# Altium PCB 1166V30.PcbDoc (part 3 of 6) (continued)
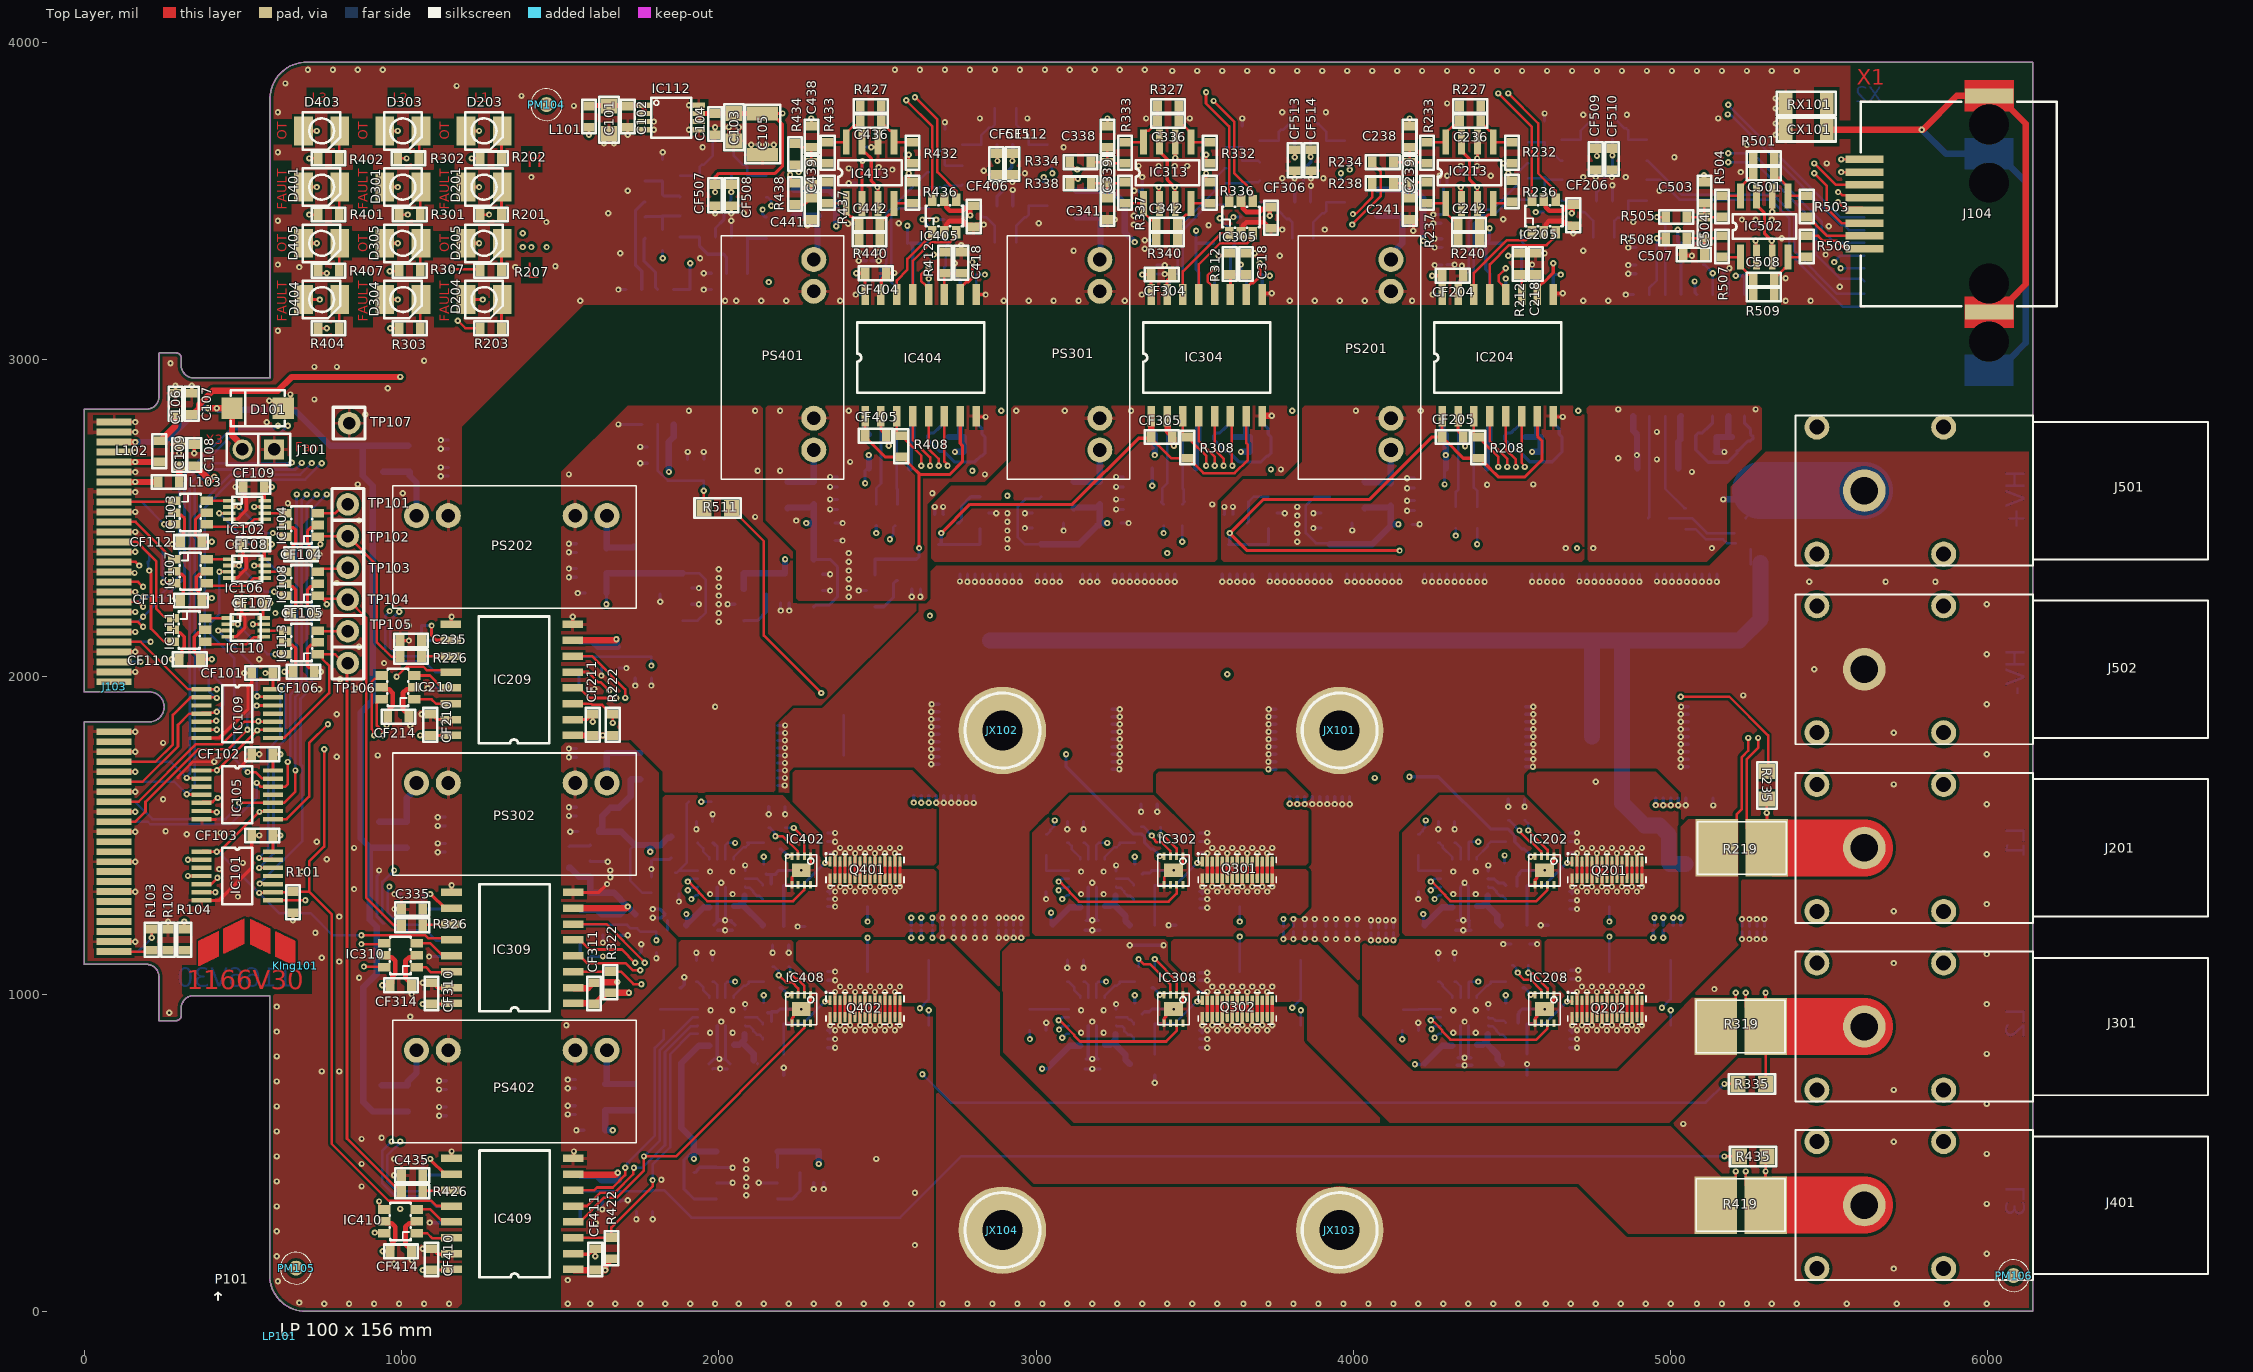
[diagram p0: Top Layer view]
## Nets (pads, with @x,y where several pads share a name; then routed paths per layer and width w, separated by ;. In a path a pad name is that pad's centre, name@x,y a point inside that pad or via, vN(x,y) a via of type N, cw(c..) or ccw(c..) an arc to the next point about the centre after c; other vN are vias at no path point) (continued)
  Bottom Layer w8: C552.1@2393.7,1751.97 2393.7,1877.95 ; R515.1@5047.24,2464.57 5079.73,2464.57 5111.23,2433.07 5165.35,2433.07 5177.17,2421.26 R517.2@5204.72,2421.26 ; R517.2@5251.97,2354.33 R517.2@5251.97,2401.57
  Bottom Layer w10: D402.2@2342.52,1443.7 v1(2366.14,1443.7) ; D402.2@2342.52,1480.31 v1(2366.14,1480.31) ; D402.2@2342.52,1507.87 v1(2366.14,1507.87) ; D302.2@3515.75,1443.7 v1(3539.37,1443.7) ; D302.2@3515.75,1480.31 v1(3539.37,1480.31) ; D302.2@3515.75,1507.87 v1(3539.37,1507.87) ; D202.2@4681.1,1443.7 v1(4704.72,1443.7) ; D202.2@4681.1,1480.31 v1(4704.72,1480.31) ; D202.2@4681.1,1507.87 v1(4704.72,1507.87)
  Bottom Layer w50: C553.1@2854.33,2114.17 C543.1@3098.43,2114.17 C544.1@3342.52,2114.17 C545.1@3586.61,2114.17 C546.1@3830.71,2114.17 C547.1@4074.8,2114.17 C548.1@4318.9,2114.17 C549.1@4562.99,2114.17 C550.1@4751.97,2114.17 ; C526.1@4751.97,1811.02 C550.1@4751.97,2114.17 ; C527.1@5047.24,1409.45 4998.38,1409.45 4993.86,1413.98 4993.86,1502.21 4964.57,1531.5 4917.32,1531.5 4846.46,1602.36 C554.1@4846.46,1811.02 4846.46,2109.65 C550.1@4841.93,2114.17 ; R517.2@5283.46,2358.27 5283.46,2181.1 5216.54,2114.17 C551.1@5051.18,2114.17 C550.1@4841.93,2114.17 ; C550.1@4751.97,2114.17 C550.1@4807.09,2114.17 C550.1@4841.93,2114.17
  other v1: 2381.89,1460.63 2413.39,1460.63 2444.88,1460.63 2476.38,1460.63 2507.87,1460.63 2539.37,1460.63 2570.87,1460.63 3555.12,1460.63 3586.61,1460.63 3618.11,1460.63 3649.61,1460.63 3681.1,1460.63 3712.6,1460.63 3744.09,1460.63 4720.47,1460.63 4751.97,1460.63 4783.46,1460.63 4814.96,1460.63 4846.46,1460.63 4877.95,1460.63 4909.45,1460.63 4763.78,1669.29 4066.93,1681.1 3602.36,2007.87 2665.35,2192.91
I1_DIAG: IC203.14 J103.29 R204.1 | length 5264.5
  Top Layer w8: J103.29@93.96,2362.03 161.59,2362.03 v1(173.23,2350.39)
  Layer 3 w8: v1(173.23,2350.39) 175.46,2352.63 191.21,2352.63 204.72,2366.14 204.72,2376.45 387.08,2558.8 613.92,2558.8 653.54,2598.43 773.6,2598.43 1456.69,3281.52 1456.69,3354.2 v1(1456.82,3354.33)
  Layer 5 w8: v1(1456.82,3354.33) 1657.61,3555.12 2173.62,3555.12 2208.8,3519.94 2740.96,3519.94 2768.52,3492.38 4452.5,3492.38 4529.22,3415.66 4529.22,3400.5 v1(4531.45,3398.27)
  Bottom Layer w8: v1(4531.45,3398.27) 4531.45,3370.12 R204.1@4539.37,3362.2
  Bottom Layer w10: IC203.14@4529.92,3204.72 4529.92,3352.76 R204.1@4539.37,3362.2
I1_OUT_N: J102.2 R528.2 | length 924.3
  Bottom Layer w8: R528.2@4924.02,3625.98 4927.95,3625.98 5034.25,3519.69 5321.84,3519.69 5390.02,3451.51 5390.02,3341.27 5524.6,3206.69 J102.2@5610.04,3206.69
I1_OUT_N#: IC203.10 R530.1 | length 528.7
  Bottom Layer w8: IC203.10@4329.92,3204.72 4329.92,3244.09 4363.92,3278.09 4363.92,3434.79 4401.57,3472.44 4438,3472.44 4521.46,3555.9 4521.46,3592.33 4547.24,3618.11 R530.1@4551.18,3618.11
I1_OUT_P: J102.1 R524.2 | length 916.4
  Bottom Layer w8: R524.2@4924.02,3566.93 4964.38,3566.93 5027.62,3503.69 5315.21,3503.69 5374.02,3444.88 5374.02,3334.65 5542.13,3166.54 J102.1@5610.04,3166.54
I1_OUT_P#: IC203.11 R526.1 | length 426.1
  Bottom Layer w8: IC203.11@4379.92,3204.72 4379.92,3428.16 4408.2,3456.44 4444.63,3456.44 4492.13,3503.94 R526.1@4551.18,3503.94
I2_DIAG: IC303.14 J103.33 R304.1 | length 4532.5
  Top Layer w8: J103.33@93.96,2299.04 169.47,2299.04 v1(185.04,2283.46)
  Layer 3 w8: v1(185.04,2283.46) 169.29,2299.21 149.61,2299.21 133.86,2314.96 133.86,2398.85 186.69,2451.68 186.91,2451.68 386.99,2651.76 553.46,2651.76 571.62,2633.61 763.53,2633.61 1409.45,3279.53 v1(1409.45,3354.33)
  Layer 5 w8: v1(1409.45,3354.33) 1432.82,3330.96 1464.34,3330.96 1637.57,3504.19 2055.12,3504.19 2074.55,3523.62 2182.49,3523.62 2202.17,3503.94 2734.34,3503.94 2761.9,3476.38 3334.65,3476.38 3366.14,3444.88 v1(3578.74,3444.88)
  Bottom Layer w8: v1(3578.74,3444.88) 3625.98,3397.64 R304.1@3625.98,3366.14 3625.98,3362.2 3612.6,3348.82 IC303.14@3612.6,3204.72
I2_OUT_N: J102.6 R543.2 | length 1837.1
  Layer 2 w8: v1(3988.19,3598.43) 4229.34,3598.43 4312.07,3681.15 4791.34,3681.15 4791.54,3681.35 5149.35,3681.35 5180.98,3649.73 v1(5181.1,3649.73)
  Bottom Layer w8: R543.2@3972.44,3625.98 3976.38,3625.98 3986.16,3616.2 3986.16,3612.27 3988.19,3610.24 v1(3988.19,3598.43) ; v1(5181.1,3649.73) 5181.23,3649.61 5259.84,3649.61 5476.63,3432.82 5476.63,3408.2 5517.51,3367.32 J102.6@5610.04,3367.32
I2_OUT_N#: IC303.10 R545.1 | length 476.9
  Bottom Layer w8: IC303.10@3412.6,3204.72 3420.41,3212.54 3420.41,3247.18 3446.6,3273.37 3446.6,3415.1 3562.99,3531.5 3562.99,3570.87 3594.49,3602.36 R545.1@3598.43,3602.36
I2_OUT_P: J102.3 R540.2 | length 1951.9
  Layer 2 w8: v1(3960.63,3586.61) 3963.79,3586.61 3973.82,3576.58 4230.13,3576.58 4318.69,3665.15 5133.65,3665.15 5133.86,3665.35 5171.32,3627.89 5172.1,3627.89 5177.94,3622.05 v1(5181.1,3622.05)
  Bottom Layer w8: v1(5181.1,3622.05) 5264.77,3622.05 5459.16,3427.66 5459.16,3328.85 5533.15,3254.86 5602.03,3254.86 J102.3@5610.04,3246.85
  Bottom Layer w10: v1(3960.63,3586.61) 3960.63,3571.77 3969.41,3562.99 R540.2@3972.44,3562.99
I2_OUT_P#: IC303.11 R542.1 | length 372.6
  Bottom Layer w8: IC303.11@3462.6,3204.72 3462.6,3408.47 3542.31,3488.19 R542.1@3598.43,3488.19
I3_DIAG: IC403.14 J103.37 R403.1 | length 3733.2
  Top Layer w8: J103.37@93.96,2236.04 169.47,2236.04 v1(185.04,2220.47)
  Layer 3 w8: v1(185.04,2220.47) 169.29,2236.22 153.54,2236.22 117.86,2271.91 117.86,2444.63 151.36,2478.13 190.73,2478.13 381.89,2669.29 558.56,2669.29 578.24,2649.61 755.91,2649.61 1381.76,3275.46 v1(1381.76,3354.33)
  Layer 5 w8: v1(1381.76,3354.33) 1384,3352.09 1384,3344.28 1413.32,3314.96 1470.97,3314.96 1644.19,3488.19 2061.75,3488.19 2081.18,3507.62 2175.86,3507.62 2195.55,3487.94 2594.74,3487.94 v1(2641.73,3440.94)
  Bottom Layer w8: v1(2641.73,3440.94) 2702.82,3379.86 2714.63,3379.86 2724.41,3370.08 R403.1@2724.41,3366.14 2714.63,3356.36 2714.63,3294.62 2711.02,3291.01 IC403.14@2711.02,3204.72
I3_OUT_N: J102.5 R535.2 | length 2801.3
  Layer 5 w8: v1(3051.18,3586.61) 3149.61,3685.04 4870.5,3685.04 5248.45,3307.09 v1(5515.75,3307.09)
  Bottom Layer w8: R535.2@3035.43,3614.17 3039.37,3614.17 3049.15,3604.39 3049.15,3600.46 3051.18,3598.43 v1(3051.18,3586.61) ; v1(5515.75,3307.09) 5515.75,3307.87 5535.04,3327.17 J102.5@5610.04,3327.17
I3_OUT_N#: IC403.10 R537.1 | length 450.4
  Bottom Layer w8: IC403.10@2511.02,3204.72 2511.02,3286.61 2527.56,3303.15 2527.56,3460.63 2657.48,3590.55 R537.1@2661.42,3590.55
I3_OUT_P: J102.4 R531.2 | length 2824.2
  Layer 5 w8: v1(3023.62,3574.8) 3026.78,3574.8 3038.6,3562.99 3059.06,3562.99 3165.1,3669.04 4862.46,3669.04 5232.28,3299.21 5233.7,3299.21 5241.82,3291.09 5496.32,3291.09 5502.16,3285.24 5533.28,3285.24 v1(5535.43,3287.4)
  Bottom Layer w8: v1@5536.61,3287.01 J102.4@5610.04,3287.01
  Bottom Layer w10: v1(3023.62,3574.8) 3023.62,3559.96 3032.4,3551.18 R531.2@3035.43,3551.18
I3_OUT_P#: IC403.11 R533.1 | length 393.6
  Bottom Layer w8: IC403.11@2561.02,3204.72 2561.02,3225.39 2531.5,3254.92 2531.5,3284.46 2543.56,3296.52 2543.56,3454 2565.93,3476.38 R533.1@2661.42,3476.38
I_DIAG: IC501.14 J103.41 R502.1 | length 6190.3
  Top Layer w8: J103.41@93.96,2173.05 169.47,2173.05 v1(185.04,2157.48)
  Layer 3 w8: v1(185.04,2157.48) 169.29,2173.23 153.54,2173.23 101.86,2224.91 101.86,2451.26 144.73,2494.13 184.1,2494.13 453.75,2763.78 718.48,2763.78 1352.34,3397.64 v1(1381.89,3397.64)
  Layer 5 w8: v1(1381.89,3397.64) 1452.76,3397.64 1641.73,3586.61 2189.46,3586.61 2215.36,3560.71 2273.31,3560.71 2291.34,3578.74 2503.94,3578.74 2546.74,3535.94 2747.59,3535.94 2775.15,3508.38 4771.15,3508.38 5007.87,3271.65 v1(5132.28,3271.65)
  Bottom Layer w8: R502.1@5102.36,3299.21 5106.3,3299.21 5132.28,3273.23 v1(5132.28,3271.65) IC501.14@5132.28,3204.72
I_OUT_N: J104.8 R506.2 | length 198.5
  Top Layer w8: R506.2@5429.13,3389.76 5464.57,3389.76 5480.57,3373.76 5523.09,3373.76 5547.24,3349.61 J104.8@5611.02,3349.61
I_OUT_N#: IC501.10 R508.1 | length 214.8
  Top Layer w8: v1(4956.69,3381.89) R508.1@4984.25,3381.89
  Bottom Layer w8: IC501.10@4932.28,3204.72 4932.28,3225.39 4956.69,3249.8 v1(4956.69,3381.89)
I_OUT_P: J104.7 R503.2 | length 206.4
  Top Layer w8: R503.2@5429.13,3448.82 5433.07,3448.82 5492.13,3389.76 J104.7@5611.02,3389.76
I_OUT_P#: IC501.11 R505.1 | length 278.3
  Top Layer w8: v1@4960.63,3448.82 R505.1@4984.25,3448.82
  Bottom Layer w8: v1(4956.69,3448.82) 4982.28,3423.23 IC501.11@4982.28,3204.72
M1: C228.2 C229.2 C231.2 C232.1 C233.2 C234.1 C240.1 C518.1 CF207.2 CF208.2 CF209.2 CF211.1 CF217.2 CF218.2 CF505.2 CF506.2 D206.1 IC207.3 IC207.6 IC207.7 IC208.0 IC208.1 IC208.5 IC209.2 IC209.8 IC211.0 IC211.9 IC211.14 IC211.15 IC212.3 IC212.4 IC503.3 IC503.4 PS202.6 Q202.2 Q202.5 Q202.6 Q202.9 Q202.10 Q202.13 Q202.14 Q202.17 Q202.18 Q202.21 Q202.22 Q202.25 Q202.26 Q202.29 Q202.30 R220.2 R221.2 R223.1 R228.2 R229.2 R230.2 R231.2 R239.2 R521.2 | length 6846.2
  Top Layer w10: IC209.2@1539.37,1864.96 1583.79,1864.96 1589.65,1870.82 1589.65,1873.11 1598.43,1881.89 CF211.1@1602.36,1881.89 v1(1602.36,1858.27) ; IC209.8@1539.37,2164.96 v1(1539.37,2188.98) ; IC208.5@4572.83,907.48 4572.91,907.56 4572.91,923.31 4577.83,928.23 4577.83,936.1 4594.49,952.76 v1(4602.36,952.76) 4610.24,952.76 4626.89,969.41 4626.89,977.28 4631.81,982.2 4631.81,997.95 IC208.1@4631.89,998.03 ; v1(4688.98,901.57) Q202.2@4688.98,927.95 ; v1(4720.47,901.57) Q202.6@4720.47,927.95 Q202.5@4720.47,980.31 ; v1(4751.97,901.57) Q202.10@4751.97,927.95 Q202.9@4751.97,980.31 ; v1(4783.46,901.57) Q202.14@4783.46,927.95 Q202.13@4783.46,980.31 ; v1(4814.96,901.57) Q202.18@4814.96,927.95 Q202.17@4814.96,980.31 ; v1(4846.46,901.57) Q202.22@4846.46,927.95 Q202.21@4846.46,980.31 ; v1(4877.95,901.57) Q202.26@4877.95,927.95 Q202.25@4877.95,980.31 ; v1(4909.45,901.57) Q202.30@4909.45,927.95 Q202.29@4909.45,980.31
  Layer 3 w8: v1(4480.32,996.06) 4683.51,792.87 4879.48,792.87 5000,913.39 v1(5000,948.82)
  Layer 3 w10: 1800.79,1843.31 1800.79,1600.31 1611.81,1411.33 1611.81,1073.75 1799.61,885.95 1799.61,735.82 1929.13,606.3 3898.6,606.3 4129.92,837.62 4129.92,866.14 4212.6,948.82 v1(4314.96,948.82)
  Bottom Layer w8: R231.2@5000,901.57 v1(5000,948.82)
  Bottom Layer w10: v1(1527.56,2313.39) CF207.2@1551.18,2313.39 ; v1(1527.56,2340.94) CF207.2@1551.18,2340.94 ; v1(1527.56,2392.13) CF209.2@1551.18,2392.13 ; v1(1527.56,2419.4) 1550.9,2419.4 CF209.2@1551.18,2419.68 ; v1(1555.12,2263.78) C228.2@1578.74,2263.78 ; IC212.4@1559.06,1964.17 IC212.3@1559.06,2014.17 ; IC212.4@1586.61,1964.57 1588.31,1962.87 1606.38,1962.87 v1(1607.69,1961.56) ; v1(1629.92,2003.94) CF217.2@1629.92,2027.56 ; v1(1683.46,2795.28) IC503.4@1707.09,2795.28 IC503.3@1757.09,2795.28 ; CF218.2@1685.04,2027.56 v1(1708.66,2027.56) ; v1(1736.22,1972.44) C240.1@1736.22,1996.06 ; v1(1751.97,2673.23) CF506.2@1775.59,2673.23 ; v1(1751.97,2724.41) CF505.2@1775.59,2724.41 ; v1(1787.4,1972.44) R239.2@1787.4,1996.06 ; v1(1814.96,2236.22) C229.2@1814.96,2259.84 ; R521.2@1901.57,2685.04 v1(1901.57,2708.66) ; IC207.6@1913.39,2228.35 v1(1937.01,2228.35) ; IC207.7@1913.39,2279.53 v1(1937.01,2279.53) ; C518.1@1952.76,2685.04 v1(1952.76,2708.66) ; v1(2027.56,2228.35) IC207.3@2051.18,2228.35 ; CF208.2@2194.49,2232.28 2194.77,2232 v1(2194.77,2208.66) ; v1(2222.05,2208.66) CF208.2@2222.05,2232.28 ; C234.1@4204.72,885.83 v1(4204.72,909.45) ; R229.2@4267.72,1106.3 v1(4267.72,1129.92) ; R230.2@4318.9,1106.3 v1(4318.9,1129.92) ; C232.1@4326.77,775.59 v1(4350.39,775.59) C233.2@4374.02,775.59 ; C232.1@4330.71,799.21 4337.6,799.21 v1(4350.39,799.21) C233.2@4370.08,799.21 ; C232.1@4337.6,795.28 IC211.15@4337.6,838.58 IC211.0@4337.6,900.59 ; C233.2@4363.19,797 IC211.14@4363.19,838.58 IC211.0@4363.19,900.59 ; IC211.9@4425.2,951.77 v1(4425.2,968.5) ; v1(4472.44,1157.48) R220.2@4496.06,1157.48 ; R228.2@4480.32,972.44 v1(4480.32,996.06) ; 4519.69,909.45 4519.69,937.01 4522.72,940.04 4522.72,943.98 4531.5,952.76 C231.2@4535.43,952.76 v1(4602.36,952.76) ; R223.1@4547.24,744.09 v1(4547.24,779.4) ; R221.2@4555.12,1157.48 v1(4578.74,1157.48) ; D206.1@4681.1,830.71 v1(4704.72,830.71) ; D206.1@4681.1,858.27 v1(4704.72,858.27) ; D206.1@4681.1,885.83 D206.1@4688.98,885.83 ; D206.1@4688.98,877.95 D206.1@4688.98,885.83 ; v1(4688.98,901.57) D206.1@4688.98,885.83 ; v1(4704.72,885.83) D206.1@4688.98,885.83
  other v1: 4314.96,877.95 4385.83,877.95 4736.22,885.83 4767.72,885.83 4799.21,885.83 4830.71,885.83 4862.2,885.83 4893.7,885.83 4350.39,913.39 4385.83,948.82 1988.19,1905.51 2000,2173.23 2000,2200.79 2000,2228.35 2000,2255.91 2000,2283.46 2000,2311.02 2000,2338.58 2114.17,2503.94 1527.56,2637.8 2122.05,2649.61 1905.51,2838.58 2114.17,2838.58
M2: C208.2 C209.2 C211.2 C215.1 C216.2 C217.1 CF201.2 CF202.2 CF203.2 CF205.1 D202.1 IC201.3 IC201.6 IC201.7 IC202.0 IC202.1 IC202.5 IC204.2 IC204.8 IC206.0 IC206.9 IC206.14 IC206.15 PS201.6 Q201.2 Q201.5 Q201.6 Q201.9 Q201.10 Q201.13 Q201.14 Q201.17 Q201.18 Q201.21 Q201.22 Q201.25 Q201.26 Q201.29 Q201.30 R205.2 R206.2 R209.1 R213.2 R214.2 R215.2 R216.2 | length 3490.4
  Top Layer w10: IC204.2@4329.92,2820.87 4329.92,2774.48 4335.78,2768.62 4337.68,2768.62 4346.46,2759.84 CF205.1@4346.46,2755.91 4349.91,2752.45 4349.91,2728.51 v1(4351.76,2726.66) ; IC202.5@4572.83,1344.49 4572.91,1344.57 4572.91,1360.31 4577.83,1365.24 4577.83,1373.11 4594.49,1389.76 v1(4602.36,1389.76) 4610.24,1389.76 4626.89,1406.42 4626.89,1414.29 4631.81,1419.21 4631.81,1434.96 IC202.1@4631.89,1435.04 ; IC204.8@4629.92,2820.87 4631.89,2818.9 v1(4659.57,2818.9) ; v1(4688.98,1338.58) Q201.2@4688.98,1364.96 ; v1(4720.47,1338.58) Q201.6@4720.47,1364.96 Q201.5@4720.47,1417.32 ; v1(4751.97,1338.58) Q201.10@4751.97,1364.96 Q201.9@4751.97,1417.32 ; v1(4783.46,1338.58) Q201.14@4783.46,1364.96 Q201.13@4783.46,1417.32 ; v1(4814.96,1338.58) Q201.18@4814.96,1364.96 Q201.17@4814.96,1417.32 ; v1(4846.46,1338.58) Q201.22@4846.46,1364.96 Q201.21@4846.46,1417.32 ; v1(4877.95,1338.58) Q201.26@4877.95,1364.96 Q201.25@4877.95,1417.32 ; v1(4909.45,1338.58) Q201.30@4909.45,1364.96 Q201.29@4909.45,1417.32
  Layer 3 w8: v1@4478.61,1434.77 4478.61,1421.97 4672.23,1228.35 v1(4807.09,1228.35)
  Layer 3 w10: v1(4267.72,1519.69) 4267.72,1603.93 4521.82,1858.03 4521.82,2578.74
  Layer 5 w8: v1(4476.38,1437.01) v1@4478.61,1434.77
  Bottom Layer w8: v1(4807.09,1228.35) R216.2@4807.09,1275.59
  Bottom Layer w10: CF202.2@3592.91,2511.81 3593.69,2512.58 v1(3593.69,2535.43) ; v1(3620.19,2535.43) 3620.19,2512.09 CF202.2@3620.47,2511.81 ; IC201.3@3759.84,2515.75 v1(3783.46,2515.75) ; v1(3874.02,2468.5) IC201.7@3897.64,2468.5 ; v1(3874.02,2515.75) IC201.6@3897.64,2515.75 ; v1(3996.06,2461.02) C209.2@3996.06,2484.65 ; v1(4169.29,2523.62) CF201.2@4192.91,2523.62 ; v1(4169.29,2555.12) CF201.2@4192.91,2555.12 ; v1(4169.29,2594.49) CF203.2@4192.91,2594.49 ; v1(4169.29,2625.98) CF203.2@4192.91,2625.98 ; C208.2@4185.04,2480.31 v1(4208.66,2480.31) ; v1(4204.72,1299.21) C217.1@4204.72,1322.83 ; v1(4267.72,1519.69) R214.2@4267.72,1543.31 ; v1(4318.9,1519.69) R215.2@4318.9,1543.31 ; C215.1@4322.83,1200.79 v1(4346.46,1200.79) C216.2@4370.08,1200.79 ; C215.1@4326.77,1232.28 v1@4337.6,1232.28 ; C216.2@4363.19,1234.01 IC206.14@4363.19,1275.59 4363.19,1337.6 v1(4350.39,1350.39) 4337.6,1337.6 IC206.15@4337.6,1275.59 v1@4337.6,1232.28 ; C216.2@4364.83,1211.86 C216.2@4364.83,1232.28 ; C216.2@4366.14,1232.28 C216.2@4364.83,1232.28 ; IC206.9@4425.2,1388.78 v1(4425.2,1405.51) ; R213.2@4476.38,1413.39 v1(4476.38,1437.01) ; v1(4488.19,1590.55) R205.2@4488.19,1614.17 ; 4515.75,1338.58 4515.75,1370.08 4522.72,1377.05 4522.72,1380.98 4531.5,1389.76 C211.2@4535.43,1389.76 v1(4602.36,1389.76) ; v1(4539.37,1590.55) R206.2@4539.37,1614.17 ; v1(4590.55,1216.54) R209.1@4614.17,1216.54 ; D202.1@4681.1,1267.72 v1(4704.72,1267.72) ; D202.1@4681.1,1295.28 v1(4704.72,1295.28) ; D202.1@4681.1,1322.83 v1(4704.72,1322.83) ; D202.1@4688.98,1314.96 v1(4688.98,1338.58) ; v1@4337.6,1232.28 v1(4346.46,1232.28) C216.2@4364.83,1232.28
  other v1: 4314.96,1314.96 4385.83,1314.96 4736.22,1322.83 4767.72,1322.83 4799.21,1322.83 4830.71,1322.83 4862.2,1322.83 4893.7,1322.83 4314.96,1385.83 4385.83,1385.83 4669.29,2405.51 3822.83,2425.2 3822.83,2452.76 3822.83,2480.31 3822.83,2507.87 3822.83,2535.43 4421.26,2605.36 4566.93,2606.3 4007.87,2838.58 4212.6,2838.58
M2U: C219.2 C220.2 C221.2 C222.2 C223.2 IC203.2 IC203.8 J201.1 R218.1 R219.1 R235.2 | length 4679
  Top Layer w8: v1(5275.59,1807.09) 5275.59,1775.59 5240.41,1740.41 5240.41,1523.37 R219.1@5303.15,1460.63 ; v1(5303.15,1570.87) R235.2@5303.15,1614.17
  Top Layer w10: R219.1@5303.15,1460.63 v1(5303.15,1570.87)
  Top Layer w180: R219.1@5330.71,1460.63 J201.1@5610.24,1460.63
  Layer 6 w20: v1(4291.34,2698.82) 4553.15,2698.82 v1(4562.99,2708.66)
  Layer 5 w8: v1(4322.83,2444.88) 4393.7,2444.88 4456.94,2381.64 4456.94,2297.97 4502.94,2251.97 5039.37,2251.97 5275.59,2015.75 v1(5275.59,1807.09)
  Layer 5 w10: v1(4287.4,2606.3) 4480.32,2413.39 4480.32,2307.09 4515.75,2271.65 5055.12,2271.65 5303.15,2023.62 v1(5303.15,1570.87)
  Bottom Layer w8: v1(4322.83,2444.88) R218.1@4322.83,2468.5
  Bottom Layer w10: v1(4287.4,2606.3) C222.2@4287.4,2657.48
  Bottom Layer w20: IC203.8@4279.92,2820.87 4279.53,2820.47 4279.53,2775.59 4291.34,2763.78 v1(4291.34,2698.82) ; C222.2@4291.92,2656.84 v1@4291.92,2698.18 ; C221.2@4543.31,2755.91 C220.2@4586.61,2755.91 4590.55,2755.91 4590.55,2708.66 C219.2@4586.61,2708.66 v1(4562.99,2708.66) ; C220.2@4578.74,2763.78 4578.74,2819.69 IC203.2@4579.92,2820.87
  other v1: 4704.72,2405.51 4708.66,2838.58
M2V: C319.2 C320.2 C321.2 C322.2 C323.2 IC303.2 IC303.8 J301.1 R318.1 R319.1 R335.2 | length 7400.2
  Top Layer w8: v1@5236.28,999.94 5236.28,960.57 R319.1@5299.21,897.64 R335.2@5299.21,716.54
  Top Layer w10: R319.1@5299.21,897.64 v1(5299.21,1003.94)
  Top Layer w180: R319.1@5330.71,897.64 J301.1@5610.24,897.64
  Layer 4 w10: v1@5297.99,1005.16 v1(5299.21,1003.94)
  Layer 5 w8: v1@3405.51,2452.76 3467.9,2452.76 3484.25,2436.4 3484.25,2274.6 3581.68,2177.17 4996.06,2177.17 5173.7,1999.53 5173.7,1066.46 v1(5236.22,1003.94)
  Layer 5 w10: v1(3366.02,2602.36) 3503.94,2464.44 3503.94,2283.46 3590.55,2196.85 5007.87,2196.85 5192.91,2011.81 5192.91,1086.61 5274.37,1005.16 v1@5297.99,1005.16
  Bottom Layer w8: v1(3401.57,2452.76) R318.1@3401.57,2476.38
  Bottom Layer w10: v1(3366.02,2602.36) 3366.02,2657.35 C323.2@3366.14,2657.48
  Bottom Layer w20: IC303.8@3362.6,2820.87 3362.2,2820.47 3362.2,2775.59 3374.02,2763.78 v1(3374.02,2698.82) ; C321.2@3625.98,2755.91 C320.2@3669.29,2755.91 3673.23,2755.91 3673.23,2708.66 C319.2@3669.29,2708.66 v1(3645.67,2708.66) ; C320.2@3661.42,2759.84 3661.42,2819.69 IC303.2@3662.6,2820.87
  other v1: 3413.39,2389.76 3740.16,2653.54 3807.09,2838.58
M2W: C419.2 C420.2 C421.2 C422.2 C423.2 IC403.2 IC403.8 J401.1 R418.1 R419.1 R435.2 | length 9918.8
  Top Layer w8: v1@5236.28,436.94 5236.28,397.57 R419.1@5299.21,334.65 ; v1(5299.21,440.94) R435.2@5299.21,488.19
  Top Layer w10: R419.1@5299.21,334.65 v1(5299.21,440.94)
  Top Layer w180: R419.1@5330.71,334.65 J401.1@5610.24,334.65
  Layer 4 w8: v1(2496.06,2452.76) v1@2498.22,2454.91
  Layer 5 w8: v1@2498.22,2454.91 2548.42,2454.91 2561.21,2442.12 2561.21,2386.61 2849.15,2098.68 4960.38,2098.68 5090.55,1968.5 5090.55,952.76 5220.72,822.58 5220.72,456.44 v1(5236.22,440.94)
  Layer 5 w10: v1(2460.63,2610.24) 2460.63,2594.49 2578.74,2476.38 2578.74,2401.57 2862.2,2118.11 4968.5,2118.11 5109.02,1977.6 5109.02,965.79 5240.16,834.65 5240.16,500 v1(5299.21,440.94)
  Bottom Layer w10: v1(2460.63,2610.24) 2460.63,2649.61 C423.2@2468.5,2657.48 ; v1(2496.06,2452.76) R418.1@2496.06,2476.38
  Bottom Layer w20: IC403.8@2461.02,2820.87 2460.63,2820.47 2460.63,2775.59 C422.2@2472.44,2763.78 ; C423.2@2473.02,2656.84 v1@2473.02,2698.18 ; C421.2@2724.41,2755.91 C420.2@2767.72,2755.91 2771.65,2755.91 2771.65,2708.66 C419.2@2767.72,2708.66 v1(2744.09,2708.66) ; C420.2@2759.84,2759.84 2759.84,2819.69 IC403.2@2761.02,2820.87
  other v1: 2799.21,2649.61 2472.44,2698.82 2889.76,2838.58
M3: C328.2 C329.2 C331.2 C332.1 C333.2 C334.1 C340.1 CF307.2 CF308.2 CF309.2 CF311.1 CF317.2 CF318.2 D306.1 IC307.3 IC307.6 IC307.7 IC308.0 IC308.1 IC308.5 IC309.2 IC309.8 IC311.0 IC311.9 IC311.14 IC311.15 IC312.3 IC312.4 PS302.6 Q302.2 Q302.5 Q302.6 Q302.9 Q302.10 Q302.13 Q302.14 Q302.17 Q302.18 Q302.21 Q302.22 Q302.25 Q302.26 Q302.29 Q302.30 R320.2 R321.2 R323.1 R328.2 R329.2 R330.2 R331.2 R339.2 | length 4907.6
  Top Layer w8: v1(3433.07,952.76) 3440.94,952.76 3462.41,974.22 3462.41,997.84 IC308.1@3462.6,998.03
  Top Layer w10: IC309.8@1541.34,1320.47 1621.37,1320.47 v1(1647.64,1346.74) ; CF311.1@1593.58,1026.65 1602.36,1035.43 CF311.1@1606.3,1035.43 CF311.1@1607.62,1036.75 ; v1@1678.47,1036.75 v1(1679.79,1038.07) ; IC308.5@3403.54,907.48 3403.62,907.56 3403.62,923.31 3408.54,928.23 3408.54,936.1 3425.2,952.76 v1(3433.07,952.76) ; v1(3523.62,901.57) Q302.2@3523.62,927.95 ; v1(3555.12,901.57) Q302.6@3555.12,927.95 Q302.5@3555.12,980.31 ; v1(3586.61,901.57) Q302.10@3586.61,927.95 Q302.9@3586.61,980.31 ; v1(3618.11,901.57) Q302.14@3618.11,927.95 Q302.13@3618.11,980.31 ; v1(3649.61,901.57) Q302.18@3649.61,927.95 Q302.17@3649.61,980.31 ; v1(3681.1,901.57) Q302.22@3681.1,927.95 Q302.21@3681.1,980.31 ; v1(3712.6,901.57) Q302.26@3712.6,927.95 Q302.25@3712.6,980.31 ; v1(3744.09,901.57) Q302.30@3744.09,927.95 Q302.29@3744.09,980.31
  Top Layer w20: IC309.2@1543.31,1018.5 1587.72,1018.5 1593.58,1024.36 CF311.1@1593.58,1026.65 ; CF311.1@1607.62,1036.75 v1@1678.47,1036.75
  Layer 1 w20: v1(1531.5,1511.81) 1626.23,1417.07 v1(1649.85,1417.07)
  Layer 3 w8: v1(3311.02,996.06) 3514.22,792.87 3714.13,792.87 3834.65,913.39 v1(3834.65,948.82)
  Layer 3 w10: v1(1803.15,1113.15) 1803.15,1085.8 1917.61,971.34 1917.61,784.7 1978.01,724.3 2814.04,724.3 3038.56,948.82 v1(3141.73,948.82)
  Bottom Layer w8: R331.2@3834.65,901.57 v1(3834.65,948.82)
  Bottom Layer w10: v1(1527.56,1561.42) CF307.2@1551.18,1561.42 ; v1(1527.56,1588.69) 1550.9,1588.69 CF307.2@1551.18,1588.98 ; v1(1527.56,1746.46) CF309.2@1551.18,1746.46 ; v1(1527.56,1773.73) 1550.9,1773.73 CF309.2@1551.18,1774.02 ; v1(1531.5,1511.81) C328.2@1555.12,1511.81 ; IC312.4@1562.99,1117.72 IC312.3@1562.99,1167.72 ; IC312.4@1590.56,1118.1 1634.27,1118.1 v1(1634.65,1118.49) ; IC307.3@1594.49,1418.9 1595.4,1417.99 1648.94,1417.99 v1(1649.85,1417.07) ; CF317.2@1633.86,1185.04 1634.65,1184.24 v1(1634.65,1162.17) ; CF318.2@1688.98,1185.04 v1(1712.88,1185.04) ; C340.1@1751.97,1129.92 1755.6,1133.55 v1(1755.6,1157.18) ; IC307.7@1787.4,1368.9 v1(1787.4,1393.9) IC307.6@1787.4,1418.9 1792.52,1424.02 1845.28,1424.02 C329.2@1850.39,1429.13 ; v1(1791.34,1240.16) 1818.9,1240.16 CF308.2@1830.71,1251.97 1814.96,1267.72 v1(1791.34,1267.72) ; v1(1803.15,1113.15) R339.2@1803.15,1129.92 ; 1838.58,1202.6 CF308.2@1838.58,1232.28 ; C334.1@3031.5,885.83 v1(3031.5,909.45) ; v1(3098.43,1082.68) R329.2@3098.43,1106.3 ; v1(3149.61,1082.68) R330.2@3149.61,1106.3 ; C332.1@3153.54,763.78 v1(3177.17,763.78) C333.2@3200.79,763.78 ; C332.1@3157.48,795.28 v1(3177.17,795.28) C333.2@3196.85,795.28 ; C332.1@3164.37,795.28 IC311.15@3164.37,838.58 IC311.0@3164.37,900.59 ; C333.2@3189.96,797 IC311.14@3189.96,838.58 IC311.0@3189.96,900.59 ; IC311.9@3251.97,951.77 v1(3251.97,968.5) ; v1(3295.28,1153.54) R320.2@3318.9,1153.54 ; R328.2@3311.02,972.44 v1(3311.02,996.06) ; R320.2@3322.83,1153.54 R321.2@3374.02,1153.54 ; 3334.65,937.01 3341.61,943.98 3357.36,943.98 C331.2@3366.14,952.76 v1(3433.07,952.76) ; v1(3374.02,720.47) R323.1@3374.02,744.09 ; R321.2@3377.95,1153.54 v1(3401.57,1153.54) ; D306.1@3515.75,830.71 v1(3539.37,830.71) ; D306.1@3515.75,858.27 v1(3539.37,858.27) ; D306.1@3515.75,885.83 v1(3539.37,885.83) ; D306.1@3523.62,877.95 v1(3523.62,901.57)
  other v1: 3141.73,877.95 3212.6,877.95 3570.87,885.83 3602.36,885.83 3633.86,885.83 3665.35,885.83 3696.85,885.83 3728.35,885.83 3177.17,913.39 3212.6,948.82 1658.1,1367.85 1657.48,1389.76
M4: C308.2 C309.2 C311.2 C315.1 C316.2 C317.1 CF301.2 CF302.2 CF303.2 CF305.1 D302.1 IC301.3 IC301.6 IC301.7 IC302.0 IC302.1 IC302.5 IC304.2 IC304.8 IC306.0 IC306.9 IC306.14 IC306.15 PS301.6 Q301.2 Q301.5 Q301.6 Q301.9 Q301.10 Q301.13 Q301.14 Q301.17 Q301.18 Q301.21 Q301.22 Q301.25 Q301.26 Q301.29 Q301.30 R305.2 R306.2 R309.1 R313.2 R314.2 R315.2 R316.2 | length 2242.2
  Top Layer w8: IC302.5@3403.54,1344.49 3403.73,1344.68 3403.73,1368.3 3425.2,1389.76 v1(3433.07,1389.76) 3440.94,1389.76 3462.41,1411.23 3462.41,1434.85 IC302.1@3462.6,1435.04
  Top Layer w10: v1(3523.62,1338.58) Q301.2@3523.62,1364.96 ; v1(3555.12,1338.58) Q301.6@3555.12,1364.96 Q301.5@3555.12,1417.32 ; v1(3586.61,1338.58) Q301.10@3586.61,1364.96 Q301.9@3586.61,1417.32 ; v1(3618.11,1338.58) Q301.14@3618.11,1364.96 Q301.13@3618.11,1417.32 ; v1(3649.61,1338.58) Q301.18@3649.61,1364.96 Q301.17@3649.61,1417.32 ; v1(3681.1,1338.58) Q301.22@3681.1,1364.96 Q301.21@3681.1,1417.32 ; v1(3712.6,1338.58) Q301.26@3712.6,1364.96 Q301.25@3712.6,1417.32 ; v1(3744.09,1338.58) Q301.30@3744.09,1364.96 Q301.29@3744.09,1417.32
  Top Layer w20: IC304.2@3412.6,2820.87 3414.41,2819.06 3414.41,2774.57 3429.13,2759.84 CF305.1@3429.13,2755.91 3432.91,2752.13 3432.91,2729.87 v1(3434.44,2728.35) ; IC304.8@3712.6,2820.87 3712.6,2821.02 3714.41,2822.83 v1(3742.25,2822.83)
  Layer 3 w8: v1@3313.26,1430.84 3313.26,1414.09 3499.01,1228.35 v1(3641.73,1228.35)
  Layer 5 w8: v1(3311.02,1433.07) v1@3313.26,1430.84
  Bottom Layer w8: v1(3641.73,1228.35) R316.2@3641.73,1275.59
  Bottom Layer w10: CF302.2@2679.53,2511.81 2680.3,2512.58 v1(2680.3,2535.43) ; v1(2706.8,2535.43) 2706.8,2512.09 CF302.2@2707.09,2511.81 ; IC301.3@2850.39,2515.75 v1(2874.02,2515.75) ; v1(2964.57,2468.5) IC301.7@2988.19,2468.5 ; v1(2964.57,2515.75) IC301.6@2988.19,2515.75 ; v1(3031.5,1299.21) C317.1@3031.5,1322.83 ; v1(3086.61,2460.63) C309.2@3086.61,2484.25 ; v1(3098.43,1519.68) R314.2@3098.43,1543.31 ; v1(3149.61,1519.68) R315.2@3149.61,1543.31 ; C315.1@3153.54,1200.79 v1(3177.17,1200.79) C316.2@3200.79,1200.79 ; C315.1@3157.48,1232.28 v1(3177.17,1232.28) C316.2@3196.85,1232.28 ; C315.1@3164.37,1232.28 IC306.15@3164.37,1275.59 IC306.0@3164.37,1337.6 ; C316.2@3189.96,1234.01 IC306.14@3189.96,1275.59 IC306.0@3189.96,1337.6 ; IC306.9@3251.97,1388.78 v1(3251.97,1405.51) ; v1(3251.97,2527.56) CF301.2@3275.59,2527.56 ; v1(3251.97,2559.06) CF301.2@3275.59,2559.06 ; v1(3251.97,2598.43) CF303.2@3275.59,2598.43 ; v1(3251.97,2629.92) CF303.2@3275.59,2629.92 ; C308.2@3267.72,2484.25 v1(3291.34,2484.25) ; R313.2@3311.02,1409.45 v1(3311.02,1433.07) ; v1(3330.71,1574.8) R305.2@3330.71,1598.43 ; 3334.65,1377.95 3337.68,1380.98 3357.36,1380.98 C311.2@3366.14,1389.76 v1(3433.07,1389.76) ; v1(3381.89,1574.8) R306.2@3381.89,1598.43 ; v1(3417.32,1216.54) R309.1@3440.94,1216.54 ; D302.1@3515.75,1271.65 v1(3539.37,1271.65) ; D302.1@3515.75,1299.21 v1(3539.37,1299.21) ; D302.1@3515.75,1322.83 v1(3539.37,1322.83) ; D302.1@3523.62,1314.96 v1(3523.62,1338.58)
  other v1: 3141.73,1314.96 3212.6,1314.96 3570.87,1322.83 3602.36,1322.83 3633.86,1322.83 3665.35,1322.83 3696.85,1322.83 3728.35,1322.83 3177.17,1350.39 3141.73,1385.83 3212.6,1385.83 2909.45,2405.51 2909.45,2433.07 2909.45,2460.63 2909.45,2488.19 2909.45,2515.75 3555.12,2543.31 3771.65,2653.54 2937.01,2838.58 3090.55,2838.58 3299.21,2838.58